# Altium PCB Fujin_Body.PcbDoc (part 1 of 2)
Units mm, origin at the board's own origin, x right, y up, seen from the top; angles counter-clockwise.
Board outline 80 x 120 mm, 2 copper layers (Top Layer, Bottom Layer), stack 1.095 mm thick; 108 components, 87 nets, 400 pads, 139 vias.
Unrouted connection lines stored in the file: 10.
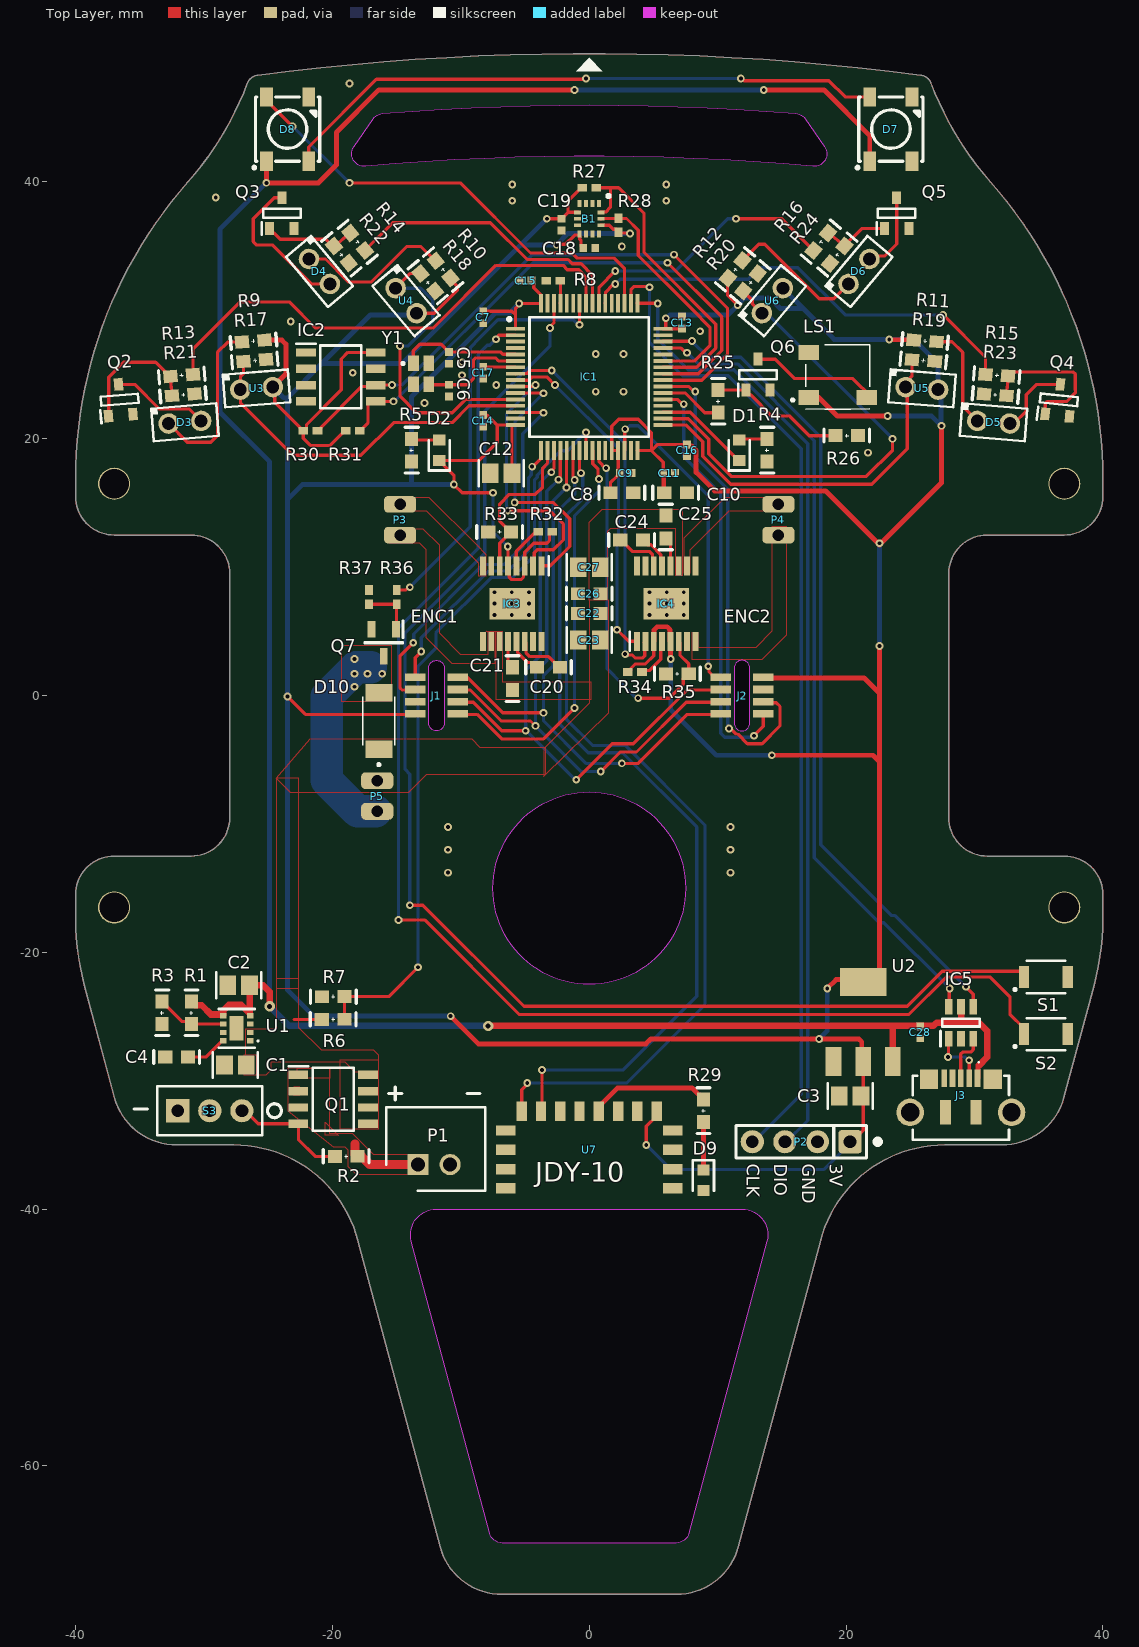
[diagram p0: Top Layer view]
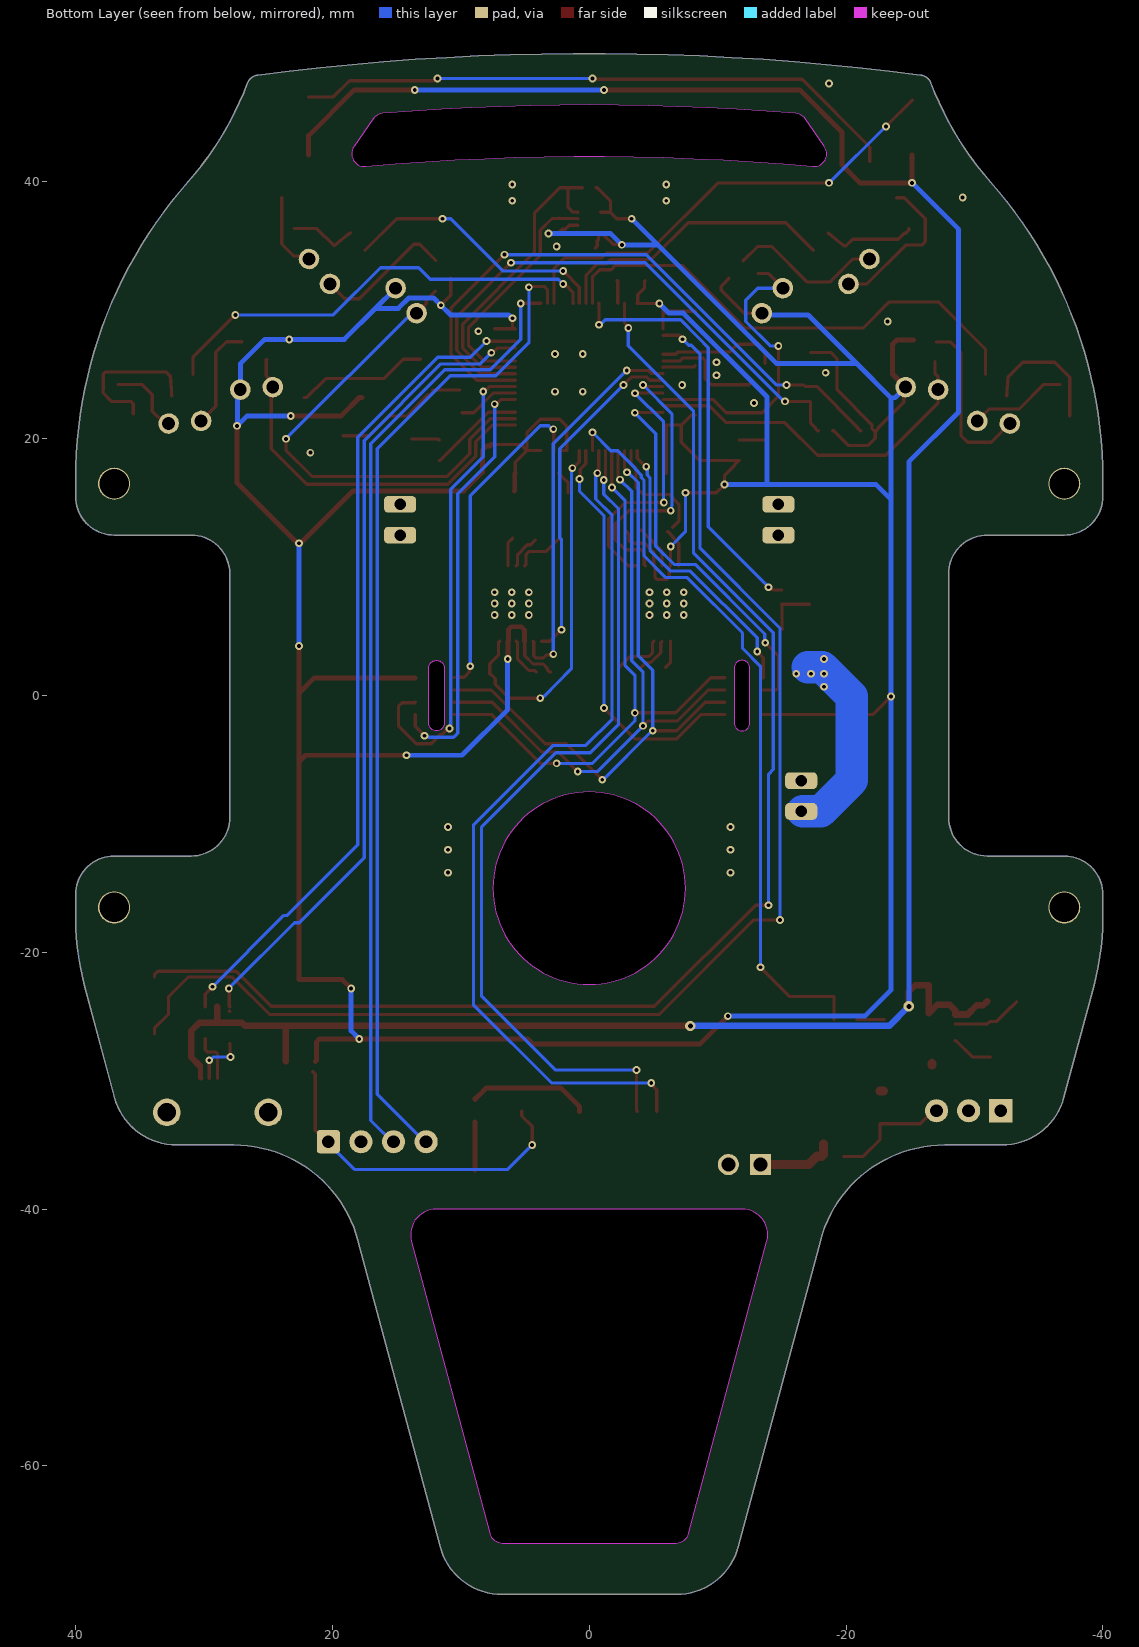
[diagram p1: Bottom Layer view, seen from below]
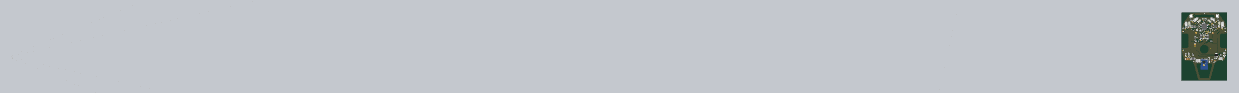
[diagram p3: 3D render of the assembled board from above, using the file's embedded part models]

## Layer stack, top to bottom
Top Solder: solder mask 0.2104, Solder Resist, Dk 3.5
Top Layer: signal copper 0.0152
Dielectric 1: dielectric 1.065, FR-4, Dk 4.8
Bottom Layer: signal copper 0.0152
Bottom Solder: solder mask 0.2104, Solder Resist, Dk 3.5

## Board outline
-39.319,-22.543 cw(c-20,-17.367) -40,-17.367 -40,-15.5 cw(c-37,-15.5) -37,-12.5 -31,-12.5 ccw(c-31,-9.5) -28,-9.5 -28,9.5 ccw(c-31,9.5) -31,12.5 -37,12.5 cw(c-37,15.5) -40,15.5 -40,16.85 cw(c-5,16.85) -31.25,40 ccw(c-50,56.536) -26.617,47.69 cw(c-25.682,47.336) -25.811,48.327 cw(c0,-150) 25.811,48.327 cw(c25.682,47.336) 26.617,47.69 ccw(c50,56.536) 31.25,40 cw(c5,16.85) 40,16.85 40,15.5 cw(c37,15.5) 37,12.5 31,12.5 ccw(c31,9.5) 28,9.5 28,-9.5 ccw(c31,-9.5) 31,-12.5 37,-12.5 cw(c37,-15.5) 40,-15.5 40,-17.367 cw(c20,-17.367) 39.319,-22.543 36.974,-31.294 cw(c32.144,-30) 32.144,-35 27.673,-35 ccw(c27.673,-45) 18.014,-42.412 11.615,-66.294 cw(c6.785,-65) 6.785,-70 -6.785,-70 cw(c-6.785,-65) -11.615,-66.294 -18.014,-42.412 ccw(c-27.673,-45) -27.673,-35 -32.144,-35 cw(c-32.144,-30) -36.974,-31.294
cut-out: 11.3,-2.15 ccw(c11.9,-2.15) 12.5,-2.15 12.5,2.15 ccw(c11.9,2.15) 11.3,2.15
cut-out: -12.5,-2.15 -12.5,2.15 cw(c-11.9,2.15) -11.3,2.15 -11.3,-2.15 cw(c-11.9,-2.15)
cut-out: -17.409,41.209 cw(c-17.5,42.205) -18.319,42.779 -16.823,44.916 cw(c-16.004,44.342) -16.086,45.339 cw(c0,-150) 16.086,45.339 cw(c16.004,44.342) 16.823,44.916 18.319,42.779 cw(c17.5,42.205) 17.409,41.209 ccw(c0,-150)
cut-out: -7.751,-65.259 -13.845,-42.518 cw(c-11.913,-42) -11.913,-40 11.913,-40 cw(c11.913,-42) 13.845,-42.518 7.751,-65.259 cw(c6.785,-65) 6.785,-66 -6.785,-66 cw(c-6.785,-65)
cut-out: 0,-22.5 cw(c0,-15) -7.5,-15 cw(c0,-15) 0,-7.5 cw(c0,-15) 7.5,-15 cw(c0,-15)

## Design rules (kind name [scope] priority, off if disabled: settings)
BoardOutlineClearance [All] p1: gap=0.2 ignorepadtopadclearanceinfootprint=FALSE except(0.4: Arc-SplitBarrior Arc-SplitContinuation Track-SplitBarrior Track-SplitContinuation SMDPad-SplitBarrior SMDPad-SplitContinuation THPad-SplitBarrior THPad-SplitContinuation Via-SplitBarrior Via-SplitContinuation Fill-SplitBarrior Fill-SplitContinuation Poly-SplitBarrior Poly-SplitContinuation Region-SplitBarrior Region-SplitContinuation Text-SplitBarrior Text-SplitContinuation)
Clearance "Clearance Bottom Layer" [OnLayer('Bottom Layer')] p1: gap=0.203 ignorepadtopadclearanceinfootprint=TRUE except(0.254: Arc-Text Track-Text SMDPad-Text THPad-Text Via-Text Fill-Text Poly-Text Region-Text Text-Text)
Clearance "Clearance Top Layer" [OnLayer('Top Layer')] p2: gap=0.203 ignorepadtopadclearanceinfootprint=TRUE except(0.254: Arc-Text Track-Text SMDPad-Text THPad-Text Via-Text Fill-Text Poly-Text Region-Text Text-Text)
Clearance [All] p3: gap=0.2 ignorepadtopadclearanceinfootprint=FALSE except(0.089: Arc-Arc Arc-Track Arc-SMDPad Track-Track Track-SMDPad SMDPad-SMDPad; 0.127: Arc-Via Track-Via SMDPad-Via THPad-Via Via-Via; 0.254: Arc-Text Track-Text SMDPad-Text THPad-Text Via-Text Fill-Text Poly-Text Region-Text Text-Text)
ComponentClearance [All] p1: gap=0.254 collisioncheckmode=3 verticalgap=-0.6 showdistances=FALSE checkcomponentboundary=TRUE
HoleSize [All] p1: absolutevalues=TRUE maxlimit=6.3 minlimit=0.2 maxpercent=80.000 minpercent=20.000
MinimumAnnularRing [All] p1: minimumring=0.076
MinimumSolderMaskSliver [All] p1: minsoldermaskwidth=0.1
PlaneConnect [All] p1: planeconnectstyle=Direct reliefexpansion=0.508 reliefentries=4 reliefconductorwidth=0.254 reliefairgap=0.254
PolygonConnect PolygonConnect_1 [All] p1: connectstyle=Direct reliefconductorwidth=0.508 reliefentries=4 polygonreliefangle="90 Angle" airgapwidth=0.254
RoutingCorners [All] p1: cornerstyle=Round minsetback=2.54 maxsetback=2.54
RoutingVias [All] p1: holewidth=0.5 width=1 viastyle="Through Hole" minholewidth=0.2 minwidth=0.45 maxholewidth=1 maxwidth=2
SilkToSilkClearance [All] p1: silktosilkclearance=0.1
SilkToSolderMaskClearance [IsPad] p1: minsilkscreentomaskgap=0.1 clearancetoexposedcopper=TRUE
SolderMaskExpansion [All] p1: expansion=0.02 istentingtop=FALSE
Width [All] p1: maxlimit=2.54 minlimit=0.089 preferedwidth=0.254
23 further rules are at their usual default settings.

## Classes and differential pairs
component class Fujin_Connectors: C28 IC5 J3
component class Fujin_Peripherals: B1 C18 C19 D3 D4 D5 D6 D7 D8 D9 IC2 LS1 Q2 Q3 Q4 Q5 Q6 R9 R10 R11 R12 R13 R14 R15 R16 R17 R18 R19 R20 R22 R23 R24 R25 R26 R27 R28 R29 R30 R31 U3 U4 U5 U6 U7
component class Fujin_Motors: C20 C21 C22 C23 C24 C25 C26 C27 D10 IC3 IC4 J1 J2 P3 P4 P5 Q7 R32 R33 R34 R35 R36 R37
component class Fujin_Main: C1 C2 C3 C4 C5 C6 C7 C8 C9 C10 C11 C12 C13 C14 C15 C16 C17 D1 D2 IC1 P1 P2 Q1 R1 R2 R3 R4 R5 R6 R7 R8 S1 S2 S3 U1 U2 Y1

## Components (designator, comment, footprint, x,y, rotation, side; value= is the part's Value field where it differs from the comment)
B1 "LSM6DSRTR" QFN50P300X250X86-14N 0,37.136 r270 top
C1 "10uF/16V" CAPACITOR-0805 -27.559,-28.777 r0 top
C2 "22uF/25V" CAPACITOR-0805 -27.305,-22.554 r0 top
C3 "22uF/25V" CAPACITOR-0805 20.32,-31.19 r0 top
C4 "430pF" Capacitor-0603 -32.131,-28.142 r0 top
C5 "10pF" "CAP 0402" -10.922,26.293 r90 top
C6 "10pF" "CAP 0402" -10.922,23.753 r90 top
C7 "100nF" "CAP 0402" -8.255,29.468 r90 top
C8 "1uF" Capacitor-0603 2.54,15.8 r180 top
C9 "100nF" "CAP 0402" 2.842,17.324 r180 top
C10 "1uF" Capacitor-0603 6.731,15.8 r180 top
C11 "100nF" "CAP 0402" 6.223,17.324 r180 top
C12 "10uF" CAPACITOR-0805 -6.858,17.324 r0 top
C13 "100nF" "CAP 0402" 7.239,29.056 r270 top
C14 "100nF" "CAP 0402" -8.255,21.388 r90 top
C15 "100nF" "CAP 0402" -4.953,32.31 r0 top
C16 "100nF" "CAP 0402" 7.62,19.102 r90 top
C17 "100nF" "CAP 0402" -8.255,25.15 r90 top
C18 "100nF" "CAP 0402" 0,34.85 r180 top
C19 "100nF" "CAP 0402" -2.159,36.676 r90 top
C20 "22nF/50V" Capacitor-0603 -3.175,2.211 r180 top
C21 "100nF/16V" Capacitor-0603 -5.969,1.322 r270 top
C22 "100nF" Capacitor-0603 0,6.402 r0 top
C23 "22uF/25V" CAPACITOR-0805 0,4.328 r0 top
C24 "22nF/50V" Capacitor-0603 3.302,12.117 r0 top
C25 "100nF/16V" Capacitor-0603 5.969,13.133 r90 top
C26 "100nF" Capacitor-0603 0,7.926 r0 top
C27 "22uF/25V" CAPACITOR-0805 0,10 r0 top
C28 "100nF" "CAP 0402" 25.781,-26.237 r90 top
D1 "LED RED 0603" "LED 0603" 11.684,19.102 r90 top locked
D2 "LED RED 0603" "LED 0603" -11.684,19.102 r90 top locked
D3 "SFH-4550" SFH-4550 -31.492,21.288 r4.5 top locked
D4 "SFH-4550" SFH-4550 -21.009,33.029 r310 top locked
D5 "SFH-4550" SFH-4550 31.492,21.288 r355.5 top locked
D6 "SFH-4550" SFH-4550 21.009,33.029 r50 top locked
D7 "WS2812B" WS2812B 23.495,44.121 r90 top
D8 "WS2812B" WS2812B -23.495,44.121 r90 top
D9 "LED BLUE" "LED 0603" 8.89,-37.756 r270 top
D10 "PMEG3050EP,115" PMEG3050EP115 -16.383,-1.98 r90 top
IC1 "STM32G474RCT6" QFP50P1200X1200X160-64N 0,24.817 r0 top locked
IC2 "24LC512-E_SN" SOIC127P600X175-8N -19.349,24.817 r0 top locked
IC3 "DRV8874PWPR" SOP65P640X120-17N -6,7.164 r270 top locked
IC4 "DRV8874PWPR" SOP65P640X120-17N 6,7.164 r90 top
IC5 "USBLC6-2SC6" SOT95P280X145-6N 28.956,-25.475 r90 top
J1 "ENCODER_CONNECTOR" ENCODER_CONN -11.9,0 r180 top
J2 "ENCODER_CONNECTOR" ENCODER_CONN 11.9,0 r0 top
J3 "105164-0001" 1051640001 28.943,-32.11 r180 top
LS1 "MLT-5020" MLT-5020 19.349,24.817 r0 top
P1 "Battery JST XH" "JST XH 1x2 Straight" -13.335,-36.524 r0 top
P2 "Header 1x4" "HDR MALE 1x4" 20.32,-34.746 r180 top
P3 "Motor Connector" MOTOR_CONNECTOR -14.732,13.698 r270 top
P4 "Motor Connector" MOTOR_CONNECTOR 14.732,13.698 r90 top
P5 "Motor Connector" MOTOR_CONNECTOR -16.51,-7.822 r270 top
Q1 "IRF9310TRPBF" IRF9310TRPBF -19.939,-31.444 r0 top locked
Q2 "2N7002K" SOT95P240X120-3N -36.576,23.039 r94.5 top locked
Q3 "2N7002K" SOT95P240X120-3N -23.942,37.574 r90 top locked
Q4 "2N7002K" SOT95P240X120-3N 36.576,23.039 r84.5 top locked
Q5 "2N7002K" SOT95P240X120-3N 23.942,37.574 r90 top
Q6 "2N7002K" SOT95P240X120-3N 13.142,25.001 r90 top
Q7 "IRLML6344TRPBF" SOT95P237X112-3N -16.002,4.116 r270 top
R1 "523k" "RESISTOR 0603" -30.988,-24.713 r90 top
R2 "100K" "RESISTOR 0603" -18.923,-35.889 r180 top
R3 "100K" "RESISTOR 0603" -33.274,-24.713 r90 top
R4 "220R" "RESISTOR 0603" 13.843,19.102 r90 top locked
R5 "220R" "RESISTOR 0603" -13.843,19.102 r90 top locked
R6 "100K" "RESISTOR 0603" -19.939,-25.221 r180 top
R7 "33K" "RESISTOR 0603" -19.939,-23.443 r0 top
R8 "10K" "RESISTOR 0402" -2.794,32.31 r180 top
R9 "18R" "RESISTOR 0603" -26.162,27.611 r4.5 top locked
R10 "18R" "RESISTOR 0603" -11.38,33.199 r310 top locked
R11 "18R" "RESISTOR 0603" 26.162,27.611 r175.5 top locked
R12 "18R" "RESISTOR 0603" 11.38,33.199 r230 top locked
R13 "47R" "RESISTOR 0603" -31.75,24.944 r4.5 top locked
R14 "47R" "RESISTOR 0603" -18.034,35.358 r310 top locked
R15 "47R" "RESISTOR 0603" 31.75,24.944 r175.5 top locked
R16 "47R" "RESISTOR 0603" 18.034,35.358 r230 top
R17 "1K" "RESISTOR 0603" -26.035,26.087 r184.5 top locked
R18 "1K" "RESISTOR 0603" -12.573,32.183 r130 top locked
R19 "1K" "RESISTOR 0603" 26.035,26.087 r175.5 top locked
R20 "1K" "RESISTOR 0603" 12.573,32.183 r230 top locked
R21 "47K" "RESISTOR 0603" -31.623,23.42 r184.5 top locked
R22 "47K" "RESISTOR 0603" -19.304,34.342 r130 top locked
R23 "47K" "RESISTOR 0603" 31.623,23.42 r355.5 top locked
R24 "47K" "RESISTOR 0603" 19.304,34.342 r50 top
R25 "47R" "RESISTOR 0603" 10.033,22.912 r90 top
R26 "47K" "RESISTOR 0603" 20.066,20.245 r180 top
R27 "10K" "RESISTOR 0402" 0,39.549 r180 top
R28 "10K" "RESISTOR 0402" 2.286,36.628 r270 top
R29 "1K" "RESISTOR 0603" 8.89,-32.333 r90 top
R30 "10K" "RESISTOR 0402" -21.717,20.626 r180 top
R31 "10K" "RESISTOR 0402" -18.415,20.626 r180 top
R32 "10K" "RESISTOR 0402" -3.429,12.752 r0 top
R33 "2K" "RESISTOR 0603" -6.985,12.752 r0 top
R34 "10K" "RESISTOR 0402" 3.556,1.83 r180 top
R35 "2K" "RESISTOR 0603" 6.858,1.703 r0 top
R36 "47R" "RESISTOR 0402" -14.986,7.672 r270 top
R37 "47K" "RESISTOR 0402" -17.145,7.672 r270 top
S1 "SPST-NO" B3U-1000P 35.56,-21.919 r180 top
S2 "SPST-NO" B3U-1000P 35.56,-26.364 r180 top
S3 "SS-12D01-G3" "DEALON SS-12D01-G3" -32.051,-32.333 r270 top
U1 "TPS82130SILR" SIL0008D -27.466,-25.912 r180 top locked
U2 "AMS1117-3.3" "SOT223 - AMS1117" 21.336,-25.526 r0 top
U3 "ST-1KL3A" ST-1KL3A -25.908,23.928 r4.5 top locked
U4 "ST-1KL3A" ST-1KL3A -14.264,30.754 r310 top locked
U5 "ST-1KL3A" ST-1KL3A 25.908,23.928 r355.5 top locked
U6 "ST-1KL3A" ST-1KL3A 14.264,30.754 r50 top locked
U7 "JDY-10" "JDY-10 - Half" 0,-41.731 r270 top
Y1 "CRYSTAL 16MHZ SMD" ABM10W240000MHZ8K1ZT3 -13.335,25.071 r270 top

## Footprints (in the part's own frame and the unit in brackets; to place one, negate y for a bottom-side part, rotate by r counter-clockwise, add the part's x,y. Pads: shape width x height; smd on the part's side, far side on the other; paste and mask are expansions set on the pad)
1051640001 [mm]
  rect 0.45x1.38 smd: 1(-1.3,-2.31) 2(-0.65,-2.31) 3(0,-2.31) 4(0.65,-2.31) 5(1.3,-2.31)
  round 2.145 hole 1.43: MH1(-3.95,0.35) MH2(3.95,0.35)
  rect 1.425x1.55 smd: MP1(-2.487,-2.225) MP2(2.487,-2.225)
  rect 0.875x1.9 smd: MP3(-1.188,0.35) MP4(1.188,0.35)
  silkscreen extent -3.75,-3.6 3.75,2.5, body extent -4.1,-2.82 4.1,2.33, height 2.56
ABM10W240000MHZ8K1ZT3 [mm]
  rect 1.2x0.85 smd: 1(-0.813,-0.363) 2(0.813,-0.363) 3(0.813,0.837) 4(-0.813,0.837)
  silkscreen extent -0.9,-1.26 -0.7,-1.06, body extent -1.33,-0.76 1.33,1.24, height 0.7
B3U-1000P [mm]
  rect 0.8x1.7 smd: 1(1.7,0) 2(-1.7,0)
  silkscreen extent -1.5,-1.25 2.49,1.25, body extent -2,-1.25 2,1.25, height 1.6
"CAP 0402" [mm]
  rect 0.6x0.62 smd: 1(-0.46,0) 2(0.46,0)
  body extent -0.5,-0.25 0.5,0.25, height 0.55
Capacitor-0603 [mm] "Chip Capacitor; Body 1.6 x 0.8 mm (LxW typ)"
  rect 1.1x1 smd: 1(-0.889,0) 2(0.889,0)
  silkscreen extent -1.78,-0.51 1.78,0.51, body extent -1.27,-0.51 1.33,0.49, height 0.89
CAPACITOR-0805 [mm] "Chip, Body 2.0x1.3mm, IPC Medium Density"
  rect 1.3x1.5 smd: 1(-0.85,0) 2(0.85,0)
  silkscreen extent -1.75,-1 1.75,1, body extent -1,-0.6 1,0.6, height 1.2
"DEALON SS-12D01-G3" [mm]
  rect 1.8x1.8 hole 1: 1(0,0)
  round 1.8 hole 1: 2(0,2.5) 3(0,5)
  silkscreen extent -1.9,-1.6 1.9,6.6, body extent -1.9,-1.6 1.9,6.6, height 6
ENCODER_CONN [mm]
  rect 1.6x0.6 smd: 1(-1.65,1.425) 2(-1.65,0.475) 3(-1.65,-0.475) 4(-1.65,-1.425) 5(1.65,1.425) 6(1.65,0.475) 7(1.65,-0.475) 8(1.65,-1.425)
"HDR MALE 1x4" [mm] "PinHeader 1x4 TH Pitch 2.54mm"
  rrect25% 1.8x1.8 hole 1: 1(0,0)
  round 1.8 hole 1: 2(2.54,0) 3(5.08,0) 4(7.62,0)
  silkscreen extent -2.3,-1.27 8.89,1.27, body extent -1.27,-1.27 8.89,1.27, height 9.5
IRF9310TRPBF [mm]
  rect 1.525x0.65 smd: 1(-2.712,-0.635) 1(-2.712,0.635) 1(-2.712,1.905) 2(-2.712,-1.905) 3(2.712,-1.905) 3(2.712,-0.635) 3(2.712,0.635) 3(2.712,1.905)
  silkscreen extent -3.47,-2.45 1.6,2.58, body extent -3,-2.45 3,2.45, height 1.75
"JDY-10 - Half" [mm]
  rect 0.8x1.524 smd: 4(-3.35,6.5) 5(-4.85,6.5) 6(-6.35,6.5) 7(-7.85,6.5) 16(-7.85,-6.5) 17(-6.35,-6.5) 18(-4.85,-6.5) 19(-3.35,-6.5)
  rect 1.524x0.8 smd: 8(-9.35,5.25) 9(-9.35,3.75) 10(-9.35,2.25) 11(-9.35,0.75) 12(-9.35,-0.75) 13(-9.35,-2.25) 14(-9.35,-3.75) 15(-9.35,-5.25)
  body extent -9.35,-6.5 9.35,6.5, height 1.5
"JST XH 1x2 Straight" [mm]
  rect 1.65x1.65 hole 1.1: 1(0,0)
  round 1.65 hole 1.1: 2(2.5,0)
  silkscreen extent -2.48,-2.04 5.23,4.46, body extent -2.44,-2.61 5.02,3.89, height 7
"LED 0603" [mm]
  rect 0.85x0.95 smd: 1(-0.8,0) 2(0.8,0)
  silkscreen extent -1.58,-0.82 0.8,0.82, body extent -0.8,-0.4 0.8,0.4, height 0.58
MLT-5020 [mm]
  rect 1.6x1.2 smd: 1(-2.25,-1.6) 2(2.25,-1.6) 3(-2.25,1.9)
  silkscreen extent -3.6,-2.5 2.5,2.5, body extent -2.87,-2.5 2.87,2.5, height 2.1
MOTOR_CONNECTOR [mm]
  rrect50% 1.3x2.5 hole 0.9: 1(-1.2,0) 2(1.2,0)
PMEG3050EP115 [mm]
  rect 1.4x2.1 smd: 1(-2.2,0) 2(2.2,0)
  silkscreen extent -3.5,-1.25 1.9,1.25, body extent -2.65,-1.3 2.05,1.3, height 1.07
QFN50P300X250X86-14N [mm]
  rect 0.55x0.3 smd: 1(-1.2,0.75) 2(-1.2,0.25) 3(-1.2,-0.25) 4(-1.2,-0.75) 8(1.2,-0.75) 9(1.2,-0.25) 10(1.2,0.25) 11(1.2,0.75)
  rect 0.3x0.55 smd: 5(-0.5,-0.9) 6(0,-0.9) 7(0.5,-0.9) 12(0.5,0.9) 13(0,0.9) 14(-0.5,0.9)
  silkscreen extent -1.9,1.38 -1.65,1.63, body extent -1.55,-1.3 1.55,1.3, height 0.86
QFP50P1200X1200X160-64N [mm]
  rect 1.475x0.3 smd: 1(-5.738,3.75) 2(-5.738,3.25) 3(-5.738,2.75) 4(-5.738,2.25) 5(-5.738,1.75) 6(-5.738,1.25) 7(-5.738,0.75) 8(-5.738,0.25) 9(-5.738,-0.25) 10(-5.738,-0.75) 11(-5.738,-1.25) 12(-5.738,-1.75) 13(-5.738,-2.25) 14(-5.738,-2.75) 15(-5.738,-3.25) 16(-5.738,-3.75) 33(5.738,-3.75) 34(5.738,-3.25) 35(5.738,-2.75) 36(5.738,-2.25) 37(5.738,-1.75) 38(5.738,-1.25) 39(5.738,-0.75) 40(5.738,-0.25) 41(5.738,0.25) 42(5.738,0.75) 43(5.738,1.25) 44(5.738,1.75) 45(5.738,2.25) 46(5.738,2.75) 47(5.738,3.25) 48(5.738,3.75)
  rect 0.3x1.475 smd: 17(-3.75,-5.738) 18(-3.25,-5.738) 19(-2.75,-5.738) 20(-2.25,-5.738) 21(-1.75,-5.738) 22(-1.25,-5.738) 23(-0.75,-5.738) 24(-0.25,-5.738) 25(0.25,-5.738) 26(0.75,-5.738) 27(1.25,-5.738) 28(1.75,-5.738) 29(2.25,-5.738) 30(2.75,-5.738) 31(3.25,-5.738) 32(3.75,-5.738) 49(3.75,5.738) 50(3.25,5.738) 51(2.75,5.738) 52(2.25,5.738) 53(1.75,5.738) 54(1.25,5.738) 55(0.75,5.738) 56(0.25,5.738) 57(-0.25,5.738) 58(-0.75,5.738) 59(-1.25,5.738) 60(-1.75,5.738) 61(-2.25,5.738) 62(-2.75,5.738) 63(-3.25,5.738) 64(-3.75,5.738)
  silkscreen extent -6.35,-4.65 4.65,4.65, body extent -6,-6 6,6, height 1.6
"RESISTOR 0402" [mm]
  rect 0.75x0.6 smd: 1(-0.55,0) 2(0.55,0)
  body extent -0.5,-0.25 0.5,0.25, height 0.35
"RESISTOR 0603" [mm] "RES 5% 0603"
  rect 1.1x1 smd: 1(-0.877,-0.011) 2(0.889,0)
  silkscreen extent -1.77,-0.52 1.79,0.5, body extent -0.8,-0.4 0.8,0.4, height 0.3
SFH-4550 [mm]
  round 1.6 hole 1: 1(-1.27,0) 2(1.27,0)
  silkscreen extent -2.54,-1.27 2.54,1.27, body extent -2.5,-0.25 2.95,13.05, height 5.95
SIL0008D [mm]
  rect 0.5x0.4 smd: 1(-1.05,0.975) 2(-1.05,0.325) 3(-1.05,-0.325) 4(-1.05,-0.975) 5(1.05,-0.975) 6(1.05,-0.325) 7(1.05,0.325) 8(1.05,0.975)
  rect 1.1x1.9 smd: 9(0,0)
  silkscreen extent -1.7,-1.5 1.4,1.5, body extent -1.4,-1.5 1.4,1.5, height 1.31
SOIC127P600X175-8N [mm]
  rect 1.525x0.65 smd: 1(-2.712,1.905) 2(-2.712,0.635) 3(-2.712,-0.635) 4(-2.712,-1.905) 5(2.712,-1.905) 6(2.712,-0.635) 7(2.712,0.635) 8(2.712,1.905)
  silkscreen extent -3.47,-2.45 1.6,2.58, body extent -3,-2.45 3,2.45, height 1.75
SOP65P640X120-17N [mm]
  rect 1.475x0.45 smd: 1(-2.938,2.275) 2(-2.938,1.625) 3(-2.938,0.975) 4(-2.938,0.325) 5(-2.938,-0.325) 6(-2.938,-0.975) 7(-2.938,-1.625) 8(-2.938,-2.275) 9(2.938,-2.275) 10(2.938,-1.625) 11(2.938,-0.975) 12(2.938,-0.325) 13(2.938,0.325) 14(2.938,0.975) 15(2.938,1.625) 16(2.938,2.275)
  rect 2.46x3.55 smd: 17(0,0)
  silkscreen extent -3.67,2.85 -2.2,2.85, body extent -3.2,-2.5 3.2,2.5, height 1.13
SOT95P237X112-3N [mm]
  rect 1.3x0.6 smd: 1(-1.05,0.95) 2(-1.05,-0.95) 3(1.05,0)
  silkscreen extent -1.7,-1.46 0.05,1.5, body extent -1.18,-1.46 1.18,1.46, height 1.12
SOT95P240X120-3N [mm]
  rect 1x0.7 smd: 1(-1.2,0.95) 2(-1.2,-0.95) 3(1.2,0)
  silkscreen extent -1.7,-1.46 0.35,1.55, body extent -1.2,-1.46 1.2,1.46, height 1.2
SOT95P280X145-6N [mm]
  rect 1.2x0.6 smd: 1(-1.25,0.95) 2(-1.25,0) 3(-1.25,-0.95) 4(1.25,-0.95) 5(1.25,0) 6(1.25,0.95)
  silkscreen extent -1.85,-1.46 0.3,1.6, body extent -1.4,-1.46 1.4,1.46, height 1.45
"SOT223 - AMS1117" [mil]
  rect 48x88 smd: 1(-91,-117) 2(0,-117) 3(91,-117)
  rect 141.73x86.61 smd: 2(0,127.01)
  body extent -128,-132 128,142, height 65
ST-1KL3A [mm]
  round 1.6 hole 1: 1(-1.27,0) 2(1.27,0)
  silkscreen extent -2.54,-1.27 2.54,1.27, body extent -2.7,-0.25 2.7,11.07, height 5.68
WS2812B [mm]
  rect 1.5x1 smd paste+0 mask+0.051: 1(-2.5,1.65) 2(-2.5,-1.65) 3(2.5,-1.65) 4(2.5,1.65)
  silkscreen extent -3.1,-2.5 2.5,2.7, body extent -2.7,-2.5 2.7,2.5, height 1.55
